# Allegro board 8880F5-0823_2_1.brd (continued)
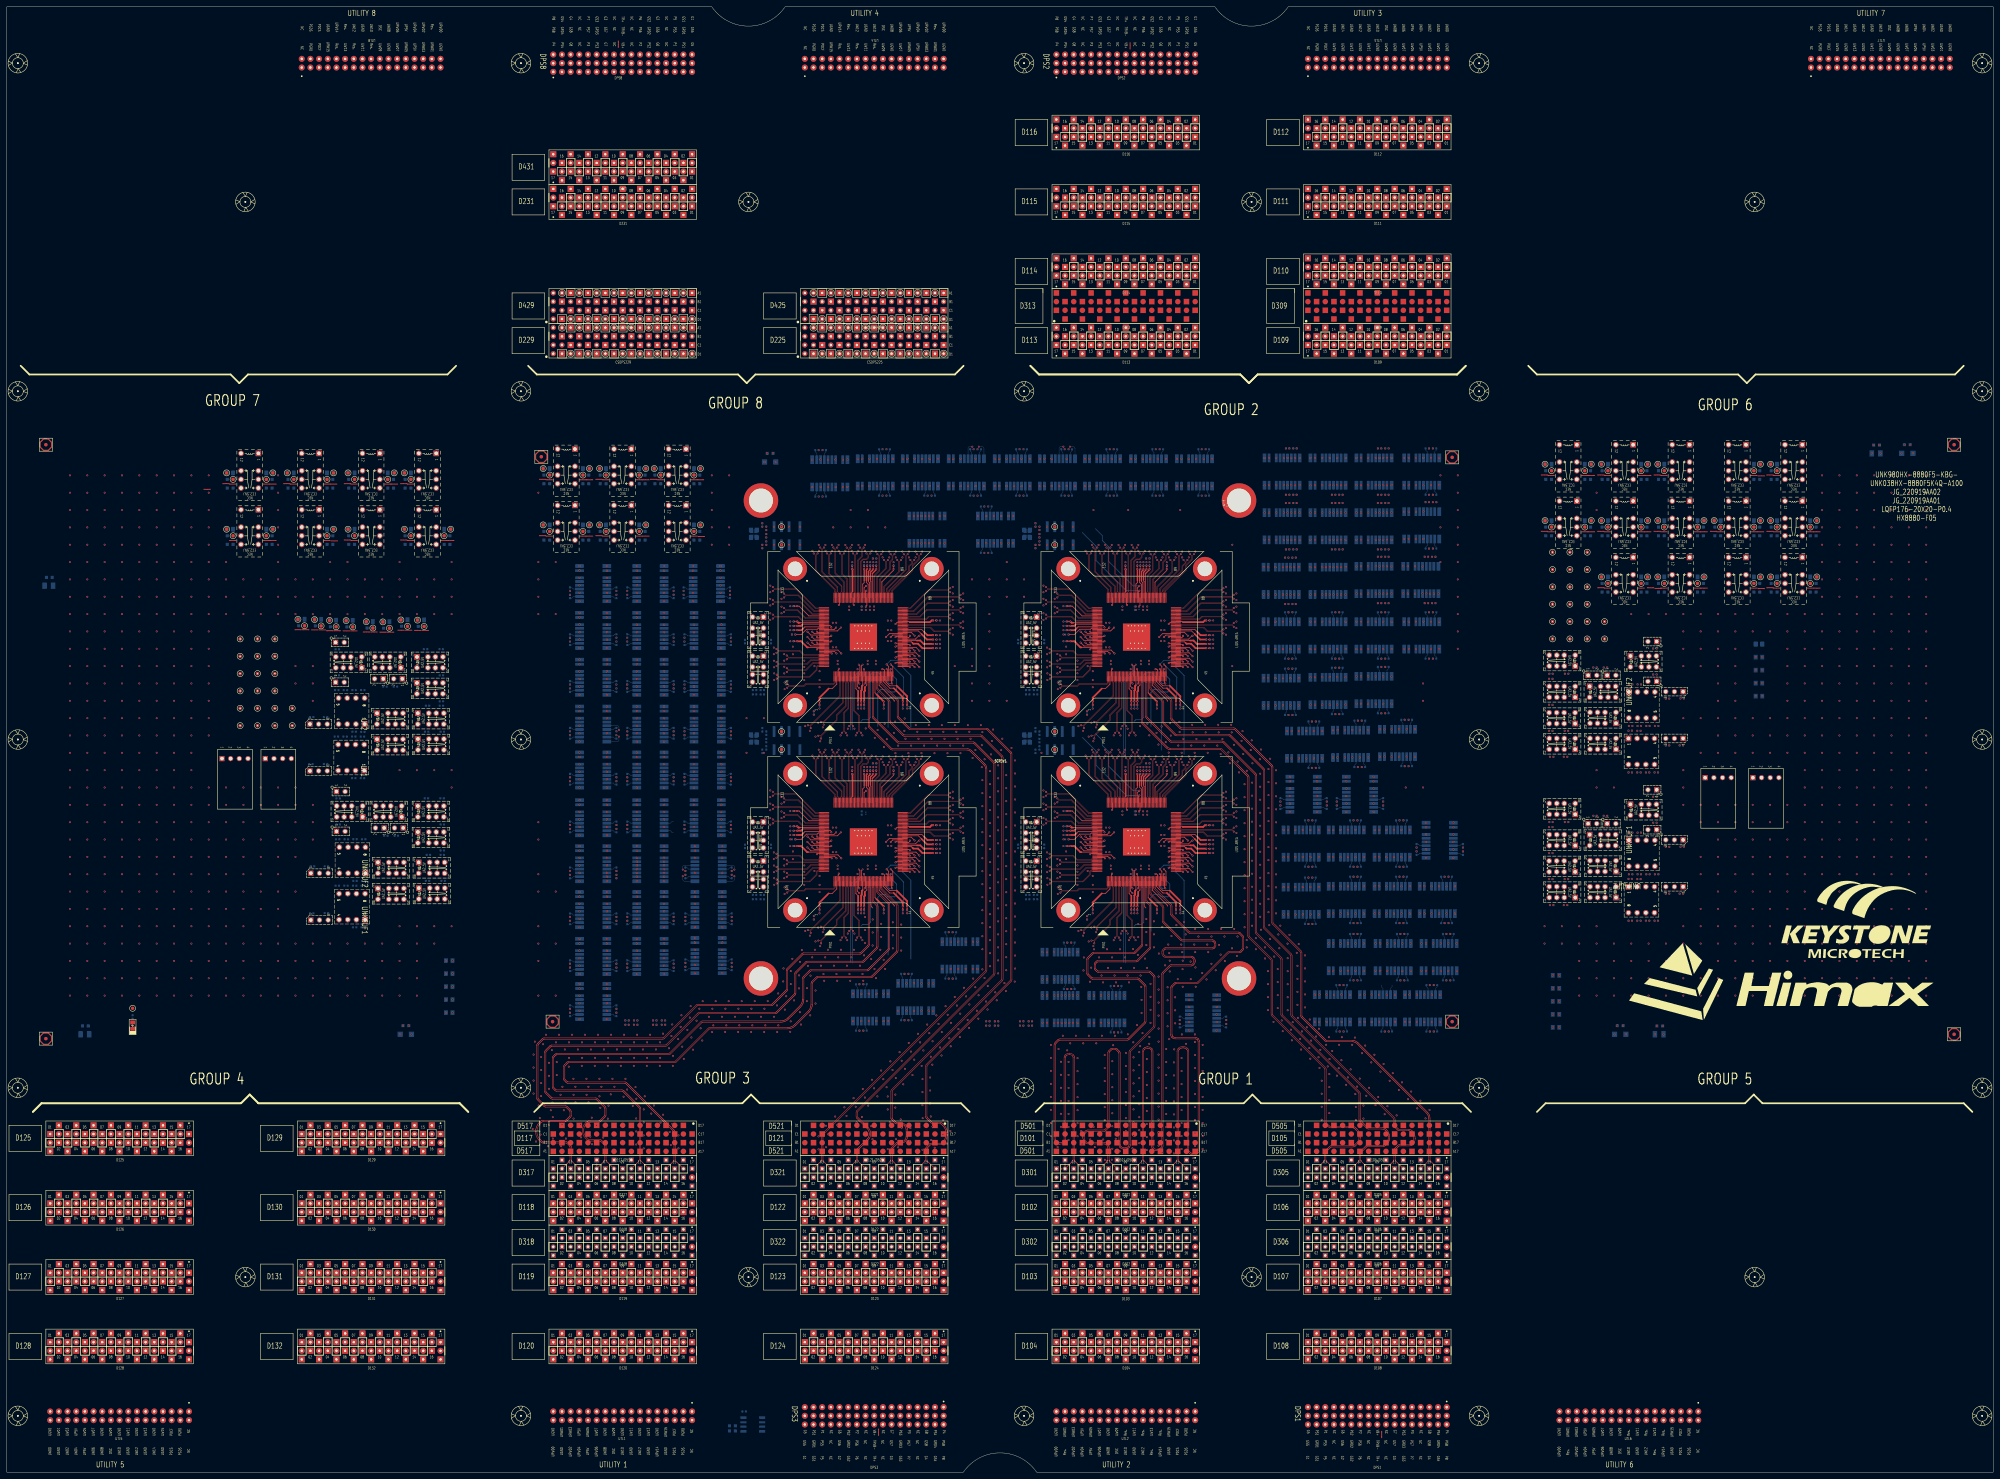
[diagram p0: board, top side]
## Placement (name value [footprint] x y rotation side) (continued)
NOREF#697  -  []  253.72 204.65 90 top
NOREF#698  -  []  254.29 265.56 0 top
NOREF#699  -  []  184.89 199.99 90 top
NOREF#700  -  []  253.4 265.56 0 top
NOREF#701  -  []  400.24 195.88 90 top
NOREF#702  -  []  373.83 192.28 90 top
NOREF#703  -  []  308.91 139.64 0 top
NOREF#704  -  []  199.08 254 0 top
NOREF#705  -  []  319.15 296.86 0 top
NOREF#706  -  []  471.21 168.33 0 top
NOREF#707  -  []  406.65 223.21 90 top
NOREF#708  -  []  165.8 131.57 90 top
NOREF#709  -  []  216.96 192.14 0 top
NOREF#710  -  []  423.2 146.88 0 top
NOREF#711  -  []  261.63 255.43 90 top
NOREF#712  -  []  334.61 204.65 90 top
NOREF#713  -  []  465.45 276.41 90 top
NOREF#714  -  []  396.55 273.11 0 top
NOREF#715  -  []  397.55 209.41 90 top
NOREF#716  -  []  199.59 203.01 90 top
NOREF#717  -  []  309.51 243.41 0 top
NOREF#718  -  []  352.25 181.69 0 top
NOREF#719  -  []  246.23 233.13 0 top
NOREF#720  -  []  410.52 241.11 0 top
NOREF#721  -  []  210.86 242.18 90 top
NOREF#722  -  []  327.15 286.96 90 top
NOREF#723  -  []  372.72 178.25 0 top
NOREF#724  -  []  422.95 163.69 90 top
NOREF#725  -  []  391.96 131.89 0 top
NOREF#726  -  []  175.7 264.1 90 top
NOREF#727  -  []  262.36 163.82 90 top
NOREF#728  -  []  221.56 242.89 0 top
NOREF#729  -  []  352.24 242.32 90 top
NOREF#730  -  []  352.25 184.23 0 top
NOREF#731  -  []  127.3 235.64 90 top
NOREF#732  -  []  165.8 226.57 90 top
NOREF#733  -  []  459.28 227 90 top
NOREF#734  -  []  182.82 148.4 90 top
NOREF#735  -  []  167.7 241.43 0 top
NOREF#736  -  []  385.19 241.11 0 top
NOREF#737  -  []  376.23 209.11 0 top
NOREF#738  -  []  528.1 276.41 90 top
NOREF#739  -  []  408.63 242.38 90 top
NOREF#740  -  []  381.2 290.39 90 top
NOREF#741  -  []  326.23 173.13 0 top
NOREF#742  -  []  230.43 193.37 90 top
NOREF#743  -  []  264.29 272.1 90 top
NOREF#744  -  []  371.73 297.12 0 top
NOREF#745  -  []  318.32 131.64 0 top
NOREF#746  -  []  381.74 265.11 0 top
NOREF#747  -  []  337.9 186.35 90 top
NOREF#748  -  []  352.25 189.18 90 top
NOREF#749  -  []  343.31 164.74 0 top
NOREF#750  -  []  230.73 189.2 0 top
NOREF#751  -  []  185.2 290.01 90 top
NOREF#752  -  []  373.83 192.28 0 top
NOREF#753  -  []  312.25 271.67 90 top
NOREF#754  -  []  379.52 188.15 0 top
NOREF#755  -  []  387.2 207.46 0 top
NOREF#756  -  []  331.94 204.65 90 top
NOREF#757  -  []  470.71 227 90 top
NOREF#758  -  []  317.98 225.04 90 top
NOREF#759  -  []  451.68 239.34 0 top
NOREF#760  -  []  448.94 292.92 90 top
NOREF#761  -  []  272.55 183.91 0 top
NOREF#762  -  []  383.09 241.11 0 top
NOREF#763  -  []  209.23 230.17 90 top
NOREF#764  -  []  310.73 253.69 0 top
NOREF#765  -  []  313.98 131.19 90 top
NOREF#766  -  []  309.21 186.34 0 top
NOREF#767  -  []  299.81 273.69 90 top
NOREF#768  -  []  405.17 131.89 0 top
NOREF#769  -  []  378.33 257.11 90 top
NOREF#770  -  []  419.9 288.57 90 top
NOREF#771  -  []  295.96 188.49 0 top
NOREF#772  -  []  247.25 265.55 0 top
NOREF#773  -  []  100.98 195.15 0 top
NOREF#774  -  []  201.91 172.56 90 top
NOREF#775  -  []  237.66 224.74 0 top
NOREF#776  -  []  259.45 288.86 90 top
NOREF#777  -  []  262.68 223.52 90 top
NOREF#778  -  []  400.85 281.11 0 top
NOREF#779  -  []  192.57 256.4 90 top
NOREF#780  -  []  390.59 195.9 90 top
NOREF#781  -  []  400.85 233.11 0 top
NOREF#782  -  []  330.74 164.74 0 top
NOREF#783  -  []  118.74 215.34 0 top
NOREF#784  -  []  332.51 265.56 90 top
NOREF#785  -  []  309.05 271.67 0 top
NOREF#786  -  []  313.98 143.89 90 top
NOREF#787  -  []  450.03 225.6 0 top
NOREF#788  -  []  251.86 192.43 90 top
NOREF#789  -  []  259.65 204.65 90 top
NOREF#790  -  []  390.69 289.12 0 top
NOREF#791  -  []  352.25 189.82 0 top
NOREF#792  -  []  327.57 264.65 90 top
NOREF#793  -  []  331.62 264.35 90 top
NOREF#794  -  []  317.05 288.86 0 top
NOREF#795  -  []  263.63 163.82 90 top
NOREF#796  -  []  112.05 246.78 90 top
NOREF#797  -  []  107.76 238.84 0 top
NOREF#798  -  []  201.4 254.6 90 top
NOREF#799  -  []  201.23 204.09 90 top
NOREF#800  -  []  292.74 288.86 0 top
NOREF#801  -  []  168.69 273.5 90 top
NOREF#802  -  []  184.47 192.32 90 top
NOREF#803  -  []  167.7 132.72 90 top
NOREF#804  -  []  301.56 239.06 0 top
NOREF#805  -  []  201.21 290.01 90 top
NOREF#806  -  []  265.64 280.1 0 top
NOREF#807  -  []  201.23 247.18 90 top
NOREF#808  -  []  352.24 249.18 90 top
NOREF#809  -  []  266.74 143.19 0 top
NOREF#810  -  []  260.6 286.96 90 top
NOREF#811  -  []  351.34 181.37 0 top
NOREF#812  -  []  127.7 238.84 0 top
NOREF#813  -  []  199.59 216.47 90 top
NOREF#814  -  []  120.24 171.1 0 top
NOREF#815  -  []  165.8 131.57 0 top
NOREF#816  -  []  184.47 163.2 90 top
NOREF#817  -  []  273.09 288.41 90 top
NOREF#818  -  []  388.43 180.15 0 top
NOREF#819  -  []  400.85 265.37 0 top
NOREF#820  -  []  209.23 202.99 90 top
NOREF#821  -  []  461.86 187.32 0 top
NOREF#822  -  []  234.33 228.13 90 top
NOREF#823  -  []  119.99 214.79 0 top
NOREF#824  -  []  262.04 224.74 0 top
NOREF#825  -  []  419.9 240.66 90 top
NOREF#826  -  []  182.57 158.5 90 top
NOREF#827  -  []  418.37 273.42 90 top
NOREF#828  -  []  341.63 173.83 90 top
NOREF#829  -  []  166.06 216.47 90 top
NOREF#830  -  []  119.95 187.53 0 top
NOREF#831  -  []  167.7 161 90 top
NOREF#832  -  []  199.33 240.28 0 top
NOREF#833  -  []  106.76 222.88 0 top
NOREF#834  -  []  352.55 241.37 0 top
NOREF#835  -  []  192.47 191.22 90 top
NOREF#836  -  []  420.62 287.22 90 top
NOREF#837  -  []  301.95 290.13 90 top
NOREF#838  -  []  167.7 260.9 90 top
NOREF#839  -  []  184.47 178.86 90 top
NOREF#840  -  []  252.83 264.65 90 top
NOREF#841  -  []  478.57 293.82 90 top
NOREF#842  -  []  298.16 188.49 0 top
NOREF#843  -  []  495.08 257.36 90 top
NOREF#844  -  []  201.49 149.73 90 top
NOREF#845  -  []  308.36 202.16 45 top
NOREF#846  -  []  408.28 129.99 0 top
NOREF#847  -  []  194.09 214.75 90 top
NOREF#848  -  []  386.46 131.89 0 top
NOREF#849  -  []  324.9 288.91 90 top
NOREF#850  -  []  369.38 224.6 0 top
NOREF#851  -  []  295.96 248.49 0 top
NOREF#852  -  []  256.45 224.74 0 top
NOREF#853  -  []  209.23 236.67 90 top
NOREF#854  -  []  408.37 258.64 90 top
NOREF#855  -  []  419.9 272.92 90 top
NOREF#856  -  []  100.73 238.84 0 top
NOREF#857  -  []  388.43 180.15 0 top
NOREF#858  -  []  397.38 146.88 90 top
NOREF#859  -  []  342.08 290.13 90 top
NOREF#860  -  []  310.43 188.88 0 top
NOREF#861  -  []  263.95 224.74 90 top
NOREF#862  -  []  272.24 189.18 90 top
NOREF#863  -  []  259.33 204.35 90 top
NOREF#864  -  []  412.79 209.06 90 top
NOREF#865  -  []  184.47 244.98 90 top
NOREF#866  -  []  201.66 240.88 90 top
NOREF#867  -  []  250.74 164.74 0 top
NOREF#868  -  []  209.49 177.76 90 top
NOREF#869  -  []  463.61 214.96 0 top
NOREF#870  -  []  237.66 164.74 0 top
NOREF#871  -  []  298.24 288.86 0 top
NOREF#872  -  []  304.61 144.34 0 top
NOREF#873  -  []  289.29 296.86 0 top
NOREF#874  -  []  331.38 223.52 90 top
NOREF#875  -  []  302.11 192.14 0 top
NOREF#876  -  []  518.38 259.9 90 top
NOREF#877  -  []  339.65 264.65 90 top
NOREF#878  -  []  453.84 179.06 0 top
NOREF#879  -  []  201.49 159.65 90 top
NOREF#880  -  []  259.33 265.55 0 top
NOREF#881  -  []  330.73 204.35 90 top
NOREF#882  -  []  309.21 247.61 0 top
NOREF#883  -  []  259.84 145.09 0 top
NOREF#884  -  []  303.56 233.86 90 top
NOREF#885  -  []  115.61 219.13 90 top
NOREF#886  -  []  167.7 258.7 90 top
NOREF#887  -  []  461.86 230.75 0 top
NOREF#888  -  []  400.79 154.88 0 top
NOREF#889  -  []  36.1 129.71 90 top
NOREF#890  -  []  378.33 224.6 90 top
NOREF#891  -  []  330.17 223.82 90 top
NOREF#892  -  []  346.27 132.97 90 top
NOREF#893  -  []  167.7 260.9 90 top
NOREF#894  -  []  177.33 214.75 90 top
NOREF#895  -  []  275.3 155.38 0 top
NOREF#896  -  []  331.54 252.73 90 top
NOREF#897  -  []  392.47 224.3 90 top
NOREF#898  -  []  352.25 184.86 90 top
NOREF#899  -  []  201.23 219.75 90 top
NOREF#900  -  []  167.7 136.27 90 top
NOREF#901  -  []  218.16 177.06 0 top
NOREF#902  -  []  417.2 171.64 0 top
NOREF#903  -  []  401.89 163.64 0 top
NOREF#904  -  []  230.43 188.88 90 top
NOREF#905  -  []  352.55 185.18 0 top
NOREF#906  -  []  194.09 187.32 90 top
NOREF#907  -  []  330.49 224.74 90 top
NOREF#908  -  []  411.01 209.61 0 top
NOREF#909  -  []  270.04 280.1 0 top
NOREF#910  -  []  334.29 204.35 90 top
NOREF#911  -  []  389.7 209.36 0 top
NOREF#912  -  []  118.99 171.65 0 top
NOREF#913  -  []  318.32 131.64 0 top
NOREF#914  -  []  471.21 168.33 90 top
NOREF#915  -  []  115.36 235.64 90 top
NOREF#916  -  []  167.7 247.18 90 top
NOREF#917  -  []  175.8 160.9 90 top
NOREF#918  -  []  229.05 211.67 0 top
NOREF#919  -  []  388.43 163.64 0 top
NOREF#920  -  []  342.68 223.52 90 top
NOREF#921  -  []  338.2 246.67 0 top
NOREF#922  -  []  272.25 184.86 90 top
NOREF#923  -  []  201.23 206.29 90 top
NOREF#924  -  []  232.25 271.67 90 top
NOREF#925  -  []  310.73 189.2 0 top
NOREF#926  -  []  390.94 257.16 90 top
NOREF#927  -  []  94.68 234.24 0 top
NOREF#928  -  []  378.75 240.66 90 top
NOREF#929  -  []  475.36 127 90 top
NOREF#930  -  []  230.43 253.37 0 top
NOREF#931  -  []  334.61 265.86 90 top
NOREF#932  -  []  317.98 165.04 90 top
NOREF#933  -  []  346.27 130.77 90 top
NOREF#934  -  []  334.29 265.55 0 top
NOREF#935  -  []  83.77 247.51 90 top
NOREF#936  -  []  463.11 230.2 0 top
NOREF#937  -  []  339.65 205.86 90 top
NOREF#938  -  []  423.45 146.93 90 top
NOREF#939  -  []  463.61 179.15 0 top
NOREF#940  -  []  352.24 184.86 90 top
NOREF#941  -  []  230.43 246.34 90 top
NOREF#942  -  []  252.83 265.86 90 top
NOREF#943  -  []  376.23 209.11 0 top
NOREF#944  -  []  231.15 219.63 90 top
NOREF#945  -  []  101.82 273.87 90 top
NOREF#946  -  []  310.43 254.01 0 top
NOREF#947  -  []  96.58 195.15 0 top
NOREF#948  -  []  478.57 259.9 90 top
NOREF#949  -  []  419.64 256.82 90 top
NOREF#950  -  []  339.33 205.56 90 top
NOREF#951  -  []  468.01 214.96 0 top
NOREF#952  -  []  404.4 273.16 90 top
NOREF#953  -  []  182.57 212.85 90 top
NOREF#954  -  []  230.43 253.37 90 top
NOREF#955  -  []  263.83 171.63 90 top
NOREF#956  -  []  400.24 202.38 90 top
NOREF#957  -  []  200.98 256.5 90 top
NOREF#958  -  []  257.9 186.99 0 top
NOREF#959  -  []  367.13 271.21 0 top
NOREF#960  -  []  393.19 271.21 90 top
NOREF#961  -  []  341.63 233.83 90 top
NOREF#962  -  []  230.41 246.34 90 top
NOREF#963  -  []  351.04 242.96 0 top
NOREF#964  -  []  264.72 272.65 90 top
NOREF#965  -  []  302.11 129.74 0 top
NOREF#966  -  []  247.25 265.55 0 top
NOREF#967  -  []  303.56 185.29 90 top
NOREF#968  -  []  383.09 273.11 0 top
NOREF#969  -  []  451.68 171.53 0 top
NOREF#970  -  []  122.19 214.79 0 top
NOREF#971  -  []  462.06 293.82 90 top
NOREF#972  -  []  209.49 164.3 90 top
NOREF#973  -  []  254.61 204.65 90 top
NOREF#974  -  []  209.33 215.25 90 top
NOREF#975  -  []  184.47 214 0 top
NOREF#976  -  []  107.02 166.42 90 top
NOREF#977  -  []  217.41 273.24 0 top
NOREF#978  -  []  392.47 288.67 90 top
NOREF#979  -  []  348.28 296.86 0 top
NOREF#980  -  []  332.83 264.65 90 top
NOREF#981  -  []  168.13 227.17 90 top
NOREF#982  -  []  327.57 204.65 90 top
NOREF#983  -  []  215.96 237.06 0 top
NOREF#984  -  []  200.98 255.15 0 top
NOREF#985  -  []  369.63 289.12 0 top
NOREF#986  -  []  305.83 264.31 0 top
NOREF#987  -  []  115.61 191.95 90 top
NOREF#988  -  []  339.33 205.56 0 top
NOREF#989  -  []  310.41 247.61 90 top
NOREF#990  -  []  485.36 292.02 90 top
NOREF#991  -  []  396.55 257.37 0 top
NOREF#992  -  []  165.8 171.96 0 top
NOREF#993  -  []  287.91 280.1 0 top
NOREF#994  -  []  201.49 151.93 90 top
NOREF#995  -  []  127.95 187.53 0 top
NOREF#996  -  []  450.03 182.17 0 top
NOREF#997  -  []  387.8 210.63 90 top
NOREF#998  -  []  127.7 231.22 0 top
NOREF#999  -  []  473.7 219.66 90 top
NOREF#1000  -  []  250.5 288.86 0 top
NOREF#1001  -  []  410.78 131.89 0 top
NOREF#1002  -  []  327.25 265.55 0 top
NOREF#1003  -  []  330.74 224.74 0 top
NOREF#1004  -  []  201.23 214 90 top
NOREF#1005  -  []  471.21 219.38 90 top
NOREF#1006  -  []  385.19 232.85 0 top
NOREF#1007  -  []  310.41 246.34 90 top
NOREF#1008  -  []  11.6 261.68 90 top
NOREF#1009  -  []  218.16 237.06 0 top
NOREF#1010  -  []  257.09 164.74 90 top
NOREF#1011  -  []  302.11 180.71 0 top
NOREF#1012  -  []  251.94 265.86 90 top
NOREF#1013  -  []  199.33 185.42 90 top
NOREF#1014  -  []  419.9 272.82 90 top
NOREF#1015  -  []  371.73 273.11 0 top
NOREF#1016  -  []  470.71 183.57 90 top
NOREF#1017  -  []  250.74 164.72 0 top
NOREF#1018  -  []  272.24 189.18 90 top
NOREF#1019  -  []  327.57 204.65 90 top
NOREF#1020  -  []  216.96 180.71 0 top
NOREF#1021  -  []  237.98 223.82 90 top
NOREF#1022  -  []  320.42 139.64 0 top
NOREF#1023  -  []  167.7 200.54 0 top
NOREF#1024  -  []  246.63 130.24 90 top
NOREF#1025  -  []  373.87 188.15 0 top
NOREF#1026  -  []  298.49 288.91 90 top
NOREF#1027  -  []  399.67 131.89 0 top
NOREF#1028  -  []  383.09 224.85 0 top
NOREF#1029  -  []  384.59 162.94 90 top
NOREF#1030  -  []  199.59 145.03 0 top
NOREF#1031  -  []  310.43 253.37 90 top
NOREF#1032  -  []  94.68 234.24 0 top
NOREF#1033  -  []  230.73 187.93 0 top
NOREF#1034  -  []  329.28 165.04 90 top
NOREF#1035  -  []  200.98 258.7 90 top
NOREF#1036  -  []  462.06 277.31 90 top
NOREF#1037  -  []  483.17 130.26 90 top
NOREF#1038  -  []  223.56 173.86 90 top
NOREF#1039  -  []  75.98 287.84 90 top
NOREF#1040  -  []  184.47 147.28 90 top
NOREF#1041  -  []  106.76 215.26 0 top
NOREF#1042  -  []  279.7 155.38 0 top
NOREF#1043  -  []  328.96 224.72 0 top
NOREF#1044  -  []  284.36 272.1 90 top
NOREF#1045  -  []  306.27 156.63 90 top
NOREF#1046  -  []  330.51 288.86 0 top
NOREF#1047  -  []  330.73 205.56 0 top
NOREF#1048  -  []  237.57 209.63 90 top
NOREF#1049  -  []  339.65 204.65 90 top
NOREF#1050  -  []  308.36 262.16 45 top
NOREF#1051  -  []  332.83 265.86 90 top
NOREF#1052  -  []  281.47 296.86 0 top
NOREF#1053  -  []  303.84 288.86 0 top
NOREF#1054  -  []  332.51 265.55 0 top
NOREF#1055  -  []  256.77 223.82 90 top
NOREF#1056  -  []  451.68 186.77 0 top
NOREF#1057  -  []  225.83 204.31 0 top
NOREF#1058  -  []  463.61 171.53 0 top
NOREF#1059  -  []  418.37 289.17 90 top
NOREF#1060  -  []  383.09 289.12 0 top
NOREF#1061  -  []  399.64 144.98 0 top
NOREF#1062  -  []  404.15 257.37 0 top
NOREF#1063  -  []  175.7 232.37 90 top
NOREF#1064  -  []  185.2 292.55 90 top
NOREF#1065  -  []  313.94 286.96 90 top
NOREF#1066  -  []  310.73 186.66 0 top
NOREF#1067  -  []  378.75 256.66 90 top
NOREF#1068  -  []  394.05 255.47 0 top
NOREF#1069  -  []  258.61 131.69 90 top
NOREF#1070  -  []  201.23 200.54 0 top
NOREF#1071  -  []  199.33 226.57 90 top
NOREF#1072  -  []  298.16 177.06 0 top
NOREF#1073  -  []  461.96 166.93 0 top
NOREF#1074  -  []  375.22 180.15 0 top
NOREF#1075  -  []  296.96 252.14 0 top
NOREF#1076  -  []  339.33 205.55 0 top
NOREF#1077  -  []  463.61 171.53 0 top
NOREF#1078  -  []  451.68 214.96 0 top
NOREF#1079  -  []  199.59 145.03 90 top
NOREF#1080  -  []  387.39 232.85 0 top
NOREF#1081  -  []  471.21 175.95 0 top
NOREF#1082  -  []  385.93 178.25 0 top
NOREF#1083  -  []  342.68 163.52 90 top
NOREF#1084  -  []  237.98 165.04 90 top
NOREF#1085  -  []  330.18 182.88 0 top
NOREF#1086  -  []  122.15 187.53 0 top
NOREF#1087  -  []  339.33 264.35 90 top
NOREF#1088  -  []  468.01 171.53 0 top
NOREF#1089  -  []  221.56 179.06 0 top
NOREF#1090  -  []  223.56 185.29 90 top
NOREF#1091  -  []  343.63 225.04 90 top
NOREF#1092  -  []  167.7 173.11 0 top
NOREF#1093  -  []  251.38 223.52 90 top
NOREF#1094  -  []  201.23 186.57 0 top
NOREF#1095  -  []  511.59 276.41 90 top
NOREF#1096  -  []  410.78 131.89 0 top
NOREF#1097  -  []  119.95 222.33 0 top
NOREF#1098  -  []  276.4 147.38 0 top
NOREF#1099  -  []  250.49 223.52 90 top
NOREF#1100  -  []  399.07 208.91 90 top
NOREF#1101  -  []  459.28 192.71 0 top
NOREF#1102  -  []  192.47 246.08 90 top
NOREF#1103  -  []  328.01 286.96 0 top
NOREF#1104  -  []  271.04 244.23 0 top
NOREF#1105  -  []  35.83 132.61 0 top
NOREF#1106  -  []  259.33 205.56 90 top
NOREF#1107  -  []  495.08 274.77 90 top
NOREF#1108  -  []  301.56 179.06 0 top
NOREF#1109  -  []  36.1 131.91 0 top
NOREF#1110  -  []  93.76 287.84 90 top
NOREF#1111  -  []  271.34 245.18 0 top
NOREF#1112  -  []  210.86 228.47 90 top
NOREF#1113  -  []  192.47 232.37 90 top
NOREF#1114  -  []  327.57 205.86 90 top
NOREF#1115  -  []  310.73 247.93 0 top
NOREF#1116  -  []  262.68 224.74 90 top
NOREF#1117  -  []  110.21 214.71 0 top
NOREF#1118  -  []  304.61 144.34 0 top
NOREF#1119  -  []  247.57 265.86 90 top
NOREF#1120  -  []  352.24 189.18 90 top
NOREF#1121  -  []  397.38 180.15 90 top
NOREF#1122  -  []  352.25 181.05 90 top
NOREF#1123  -  []  290.64 288.86 0 top
NOREF#1124  -  []  309.51 253.69 0 top
NOREF#1125  -  []  263.95 163.52 90 top
NOREF#1126  -  []  453.88 171.53 0 top
NOREF#1127  -  []  209.33 187.82 90 top
NOREF#1128  -  []  292.74 296.86 0 top
NOREF#1129  -  []  259.97 204.35 90 top
NOREF#1130  -  []  369.63 289.12 0 top
NOREF#1131  -  []  228.36 202.16 45 top
NOREF#1132  -  []  511.59 291.28 90 top
NOREF#1133  -  []  404.24 154.88 0 top
NOREF#1134  -  []  329.85 164.74 0 top
NOREF#1135  -  []  371.48 224.6 0 top
NOREF#1136  -  []  263.14 282 0 top
NOREF#1137  -  []  326 288.86 90 top
NOREF#1138  -  []  247.25 205.56 90 top
NOREF#1139  -  []  463.11 186.77 0 top
NOREF#1140  -  []  184.47 151.68 90 top
NOREF#1141  -  []  383.83 209.11 0 top
NOREF#1142  -  []  317.98 223.82 90 top
NOREF#1143  -  []  252.51 265.56 90 top
NOREF#1144  -  []  262.68 164.74 90 top
NOREF#1145  -  []  305.83 204.31 0 top
NOREF#1146  -  []  303.84 288.86 0 top
NOREF#1147  -  []  471.59 130.36 90 top
NOREF#1148  -  []  334.29 205.56 0 top
NOREF#1149  -  []  329.6 163.52 90 top
NOREF#1150  -  []  331.86 192.43 90 top
NOREF#1151  -  []  460.89 217.9 90 top
NOREF#1152  -  []  264.54 143.19 0 top
NOREF#1153  -  []  450.03 234.74 0 top
NOREF#1154  -  []  208.98 259.8 90 top
NOREF#1155  -  []  339.97 264.35 90 top
NOREF#1156  -  []  184.47 260.9 90 top
NOREF#1157  -  []  472.86 166.93 90 top
NOREF#1158  -  []  399.67 139.89 0 top
NOREF#1159  -  []  459.28 211.76 0 top
NOREF#1160  -  []  415.1 163.64 0 top
NOREF#1161  -  []  413.75 171.64 0 top
NOREF#1162  -  []  352.25 241.69 0 top
NOREF#1163  -  []  251.38 224.74 90 top
NOREF#1164  -  []  396.55 289.12 0 top
NOREF#1165  -  []  119.95 195.15 0 top
NOREF#1166  -  []  300.01 288.31 90 top
NOREF#1167  -  []  199.59 171.96 0 top
NOREF#1168  -  []  239.4 296.61 0 top
NOREF#1169  -  []  412.36 209.61 90 top
NOREF#1170  -  []  192.47 205.19 90 top
NOREF#1171  -  []  346.27 129.42 0 top
NOREF#1172  -  []  230.83 224.63 0 top
NOREF#1173  -  []  239.33 236.03 0 top
NOREF#1174  -  []  501.87 276.41 90 top
NOREF#1175  -  []  417.7 154.88 0 top
NOREF#1176  -  []  352.55 245.18 0 top
NOREF#1177  -  []  124.35 222.33 0 top
NOREF#1178  -  []  392.04 273.11 90 top
NOREF#1179  -  []  217.41 273.24 90 top
NOREF#1180  -  []  184.47 145.93 0 top
NOREF#1181  -  []  330.73 264.35 90 top
NOREF#1182  -  []  394.66 290.39 90 top
NOREF#1183  -  []  410.52 289.12 0 top
NOREF#1184  -  []  395.2 281.11 0 top
NOREF#1185  -  []  239.33 243.63 90 top
NOREF#1186  -  []  272.25 242.96 0 top
NOREF#1187  -  []  253.53 140.14 0 top
NOREF#1188  -  []  330.18 242.88 0 top
NOREF#1189  -  []  165.8 171.96 90 top
NOREF#1190  -  []  182.57 254 0 top
NOREF#1191  -  []  218.13 214.06 90 top
NOREF#1192  -  []  420.62 271.47 90 top
NOREF#1193  -  []  399.39 178.25 0 top
NOREF#1194  -  []  425.2 161.74 90 top
NOREF#1195  -  []  319.33 176.03 90 top
NOREF#1196  -  []  110.21 195.15 0 top
NOREF#1197  -  []  379.01 288.67 90 top
NOREF#1198  -  []  448.94 290.38 90 top
NOREF#1199  -  []  201.23 201.89 90 top
NOREF#1200  -  []  251.38 164.74 90 top
NOREF#1201  -  []  237.57 269.63 90 top
NOREF#1202  -  []  240.83 194.63 0 top
NOREF#1203  -  []  112.67 171.02 0 top
NOREF#1204  -  []  343.95 164.74 90 top
NOREF#1205  -  []  192.47 175.56 90 top
NOREF#1206  -  []  369.38 257.11 0 top
NOREF#1207  -  []  331.05 204.65 90 top
NOREF#1208  -  []  478.57 291.28 90 top
NOREF#1209  -  []  263.95 164.74 90 top
NOREF#1210  -  []  398.65 249.11 0 top
NOREF#1211  -  []  342.36 225.04 90 top
NOREF#1212  -  []  334.81 296.86 0 top
NOREF#1213  -  []  282.9 147.38 0 top
NOREF#1214  -  []  413.71 148.15 90 top
NOREF#1215  -  []  275.82 296.86 0 top
NOREF#1216  -  []  220.36 237.06 0 top
NOREF#1217  -  []  412.62 273.37 0 top
NOREF#1218  -  []  417.7 146.88 0 top
NOREF#1219  -  []  94.93 190.55 0 top
NOREF#1220  -  []  167.7 145.93 0 top
NOREF#1221  -  []  410.52 273.37 0 top
NOREF#1222  -  []  249.6 164.74 90 top
NOREF#1223  -  []  388.43 146.88 0 top
NOREF#1224  -  []  318.3 163.52 90 top
NOREF#1225  -  []  399.99 164.91 90 top
NOREF#1226  -  []  518.38 292.92 90 top
NOREF#1227  -  []  252.6 288.86 0 top
NOREF#1228  -  []  401.89 163.64 0 top
NOREF#1229  -  []  226.85 271.67 0 top
NOREF#1230  -  []  411.26 163.09 90 top
NOREF#1231  -  []  326.23 233.13 0 top
NOREF#1232  -  []  167.7 244.98 90 top
NOREF#1233  -  []  410.52 289.12 0 top
NOREF#1234  -  []  481.96 273.87 90 top
NOREF#1235  -  []  379.73 271.21 90 top
NOREF#1236  -  []  175.7 205.19 90 top
NOREF#1237  -  []  106.11 234.24 0 top
NOREF#1238  -  []  167.7 231.27 90 top
NOREF#1239  -  []  411.26 209.66 90 top
NOREF#1240  -  []  209.23 209.49 90 top
NOREF#1241  -  []  286.55 288.41 90 top
NOREF#1242  -  []  475.04 239.09 0 top
NOREF#1243  -  []  107.76 238.84 0 top
NOREF#1244  -  []  293.31 272.1 0 top
NOREF#1245  -  []  165.8 254 0 top
NOREF#1246  -  []  410.52 273.37 0 top
NOREF#1247  -  []  217.71 276.09 0 top
NOREF#1248  -  []  290.11 280.1 0 top
NOREF#1249  -  []  337.9 246.35 90 top
NOREF#1250  -  []  223.56 233.86 90 top
NOREF#1251  -  []  229.21 247.61 0 top
NOREF#1252  -  []  396.28 180.2 90 top
NOREF#1253  -  []  254.61 205.86 90 top
NOREF#1254  -  []  303.26 152.34 0 top
NOREF#1255  -  []  116.27 178.64 0 top
NOREF#1256  -  []  451.64 222.5 0 top
NOREF#1257  -  []  319.33 236.03 0 top
NOREF#1258  -  []  320.83 254.63 0 top
NOREF#1259  -  []  450.03 191.31 0 top
NOREF#1260  -  []  167.7 165.4 90 top
NOREF#1261  -  []  310.73 183.41 0 top
NOREF#1262  -  []  373.73 207.21 0 top
NOREF#1263  -  []  394.66 242.38 90 top
NOREF#1264  -  []  209.08 256.4 90 top
NOREF#1265  -  []  199.33 185.42 0 top
NOREF#1266  -  []  271.34 189.5 0 top
NOREF#1267  -  []  192.47 168.6 90 top
NOREF#1268  -  []  316.97 139.64 0 top
NOREF#1269  -  []  405.5 257.37 90 top
NOREF#1270  -  []  118.45 239.39 0 top
NOREF#1271  -  []  334.29 265.56 90 top
NOREF#1272  -  []  253.72 264.65 90 top
NOREF#1273  -  []  352.24 241.05 90 top
NOREF#1274  -  []  259.88 288.31 90 top
NOREF#1275  -  []  329.6 164.74 90 top
NOREF#1276  -  []  127.84 167.9 90 top
NOREF#1277  -  []  182.82 230.19 90 top
NOREF#1278  -  []  230.41 183.09 90 top
NOREF#1279  -  []  184.47 256.5 90 top
NOREF#1280  -  []  106.29 174.19 90 top
NOREF#1281  -  []  215.96 237.06 0 top
NOREF#1282  -  []  101.82 271.33 90 top
NOREF#1283  -  []  339.33 204.35 90 top
NOREF#1284  -  []  331.86 252.43 90 top
NOREF#1285  -  []  201.23 206.29 90 top
NOREF#1286  -  []  261.42 135.74 90 top
NOREF#1287  -  []  272.25 182.96 0 top
NOREF#1288  -  []  343.2 172.26 90 top
NOREF#1289  -  []  375.73 199.18 90 top
NOREF#1290  -  []  257.09 163.52 90 top
NOREF#1291  -  []  241.82 227.13 90 top
NOREF#1292  -  []  235.85 288.61 90 top
NOREF#1293  -  []  199.33 226.57 0 top
NOREF#1294  -  []  310.41 193.37 90 top
NOREF#1295  -  []  405.5 289.12 90 top
NOREF#1296  -  []  420.37 255.47 90 top
NOREF#1297  -  []  272.24 182.32 90 top
NOREF#1298  -  []  209.23 195.52 90 top
NOREF#1299  -  []  388.43 163.64 0 top
NOREF#1300  -  []  411.26 163.19 90 top
NOREF#1301  -  []  451.68 186.77 0 top
NOREF#1302  -  []  247.25 265.56 90 top
NOREF#1303  -  []  341.63 255.43 90 top
NOREF#1304  -  []  378.58 273.11 90 top
NOREF#1305  -  []  379.48 255.21 90 top
NOREF#1306  -  []  239.33 183.63 90 top
NOREF#1307  -  []  184.47 206.29 90 top
NOREF#1308  -  []  375.73 193.43 0 top
NOREF#1309  -  []  261.63 233.83 90 top
NOREF#1310  -  []  310.43 243.09 0 top
NOREF#1311  -  []  394.66 258.64 90 top
NOREF#1312  -  []  249.28 165.04 90 top
NOREF#1313  -  []  166.06 175.58 90 top
NOREF#1314  -  []  237.66 224.72 0 top
NOREF#1315  -  []  451.68 171.53 0 top
NOREF#1316  -  []  184.89 145.38 90 top
NOREF#1317  -  []  115.19 128.27 0 top
NOREF#1318  -  []  406.94 131.34 90 top
NOREF#1319  -  []  66.26 273.87 90 top
NOREF#1320  -  []  118.33 289.48 90 top
NOREF#1321  -  []  398.65 289.12 0 top
NOREF#1322  -  []  106.76 210.11 90 top
NOREF#1323  -  []  463.61 214.96 0 top
NOREF#1324  -  []  410.52 273.37 0 top
NOREF#1325  -  []  182.82 203.01 90 top
NOREF#1326  -  []  216.96 252.14 0 top
NOREF#1327  -  []  317.83 197.63 0 top
NOREF#1328  -  []  273.81 286.96 90 top
NOREF#1329  -  []  118.7 182.93 90 top
NOREF#1330  -  []  249.6 163.52 90 top
NOREF#1331  -  []  93.76 290.38 90 top
NOREF#1332  -  []  167.7 138.47 90 top
NOREF#1333  -  []  251.94 204.65 90 top
NOREF#1334  -  []  248.96 224.72 0 top
NOREF#1335  -  []  467.51 230.2 0 top
NOREF#1336  -  []  127.95 195.15 0 top
NOREF#1337  -  []  234.7 286.71 90 top